# Allegro board DuoModule 01 Evaluation Board V1.1.brd (continued)
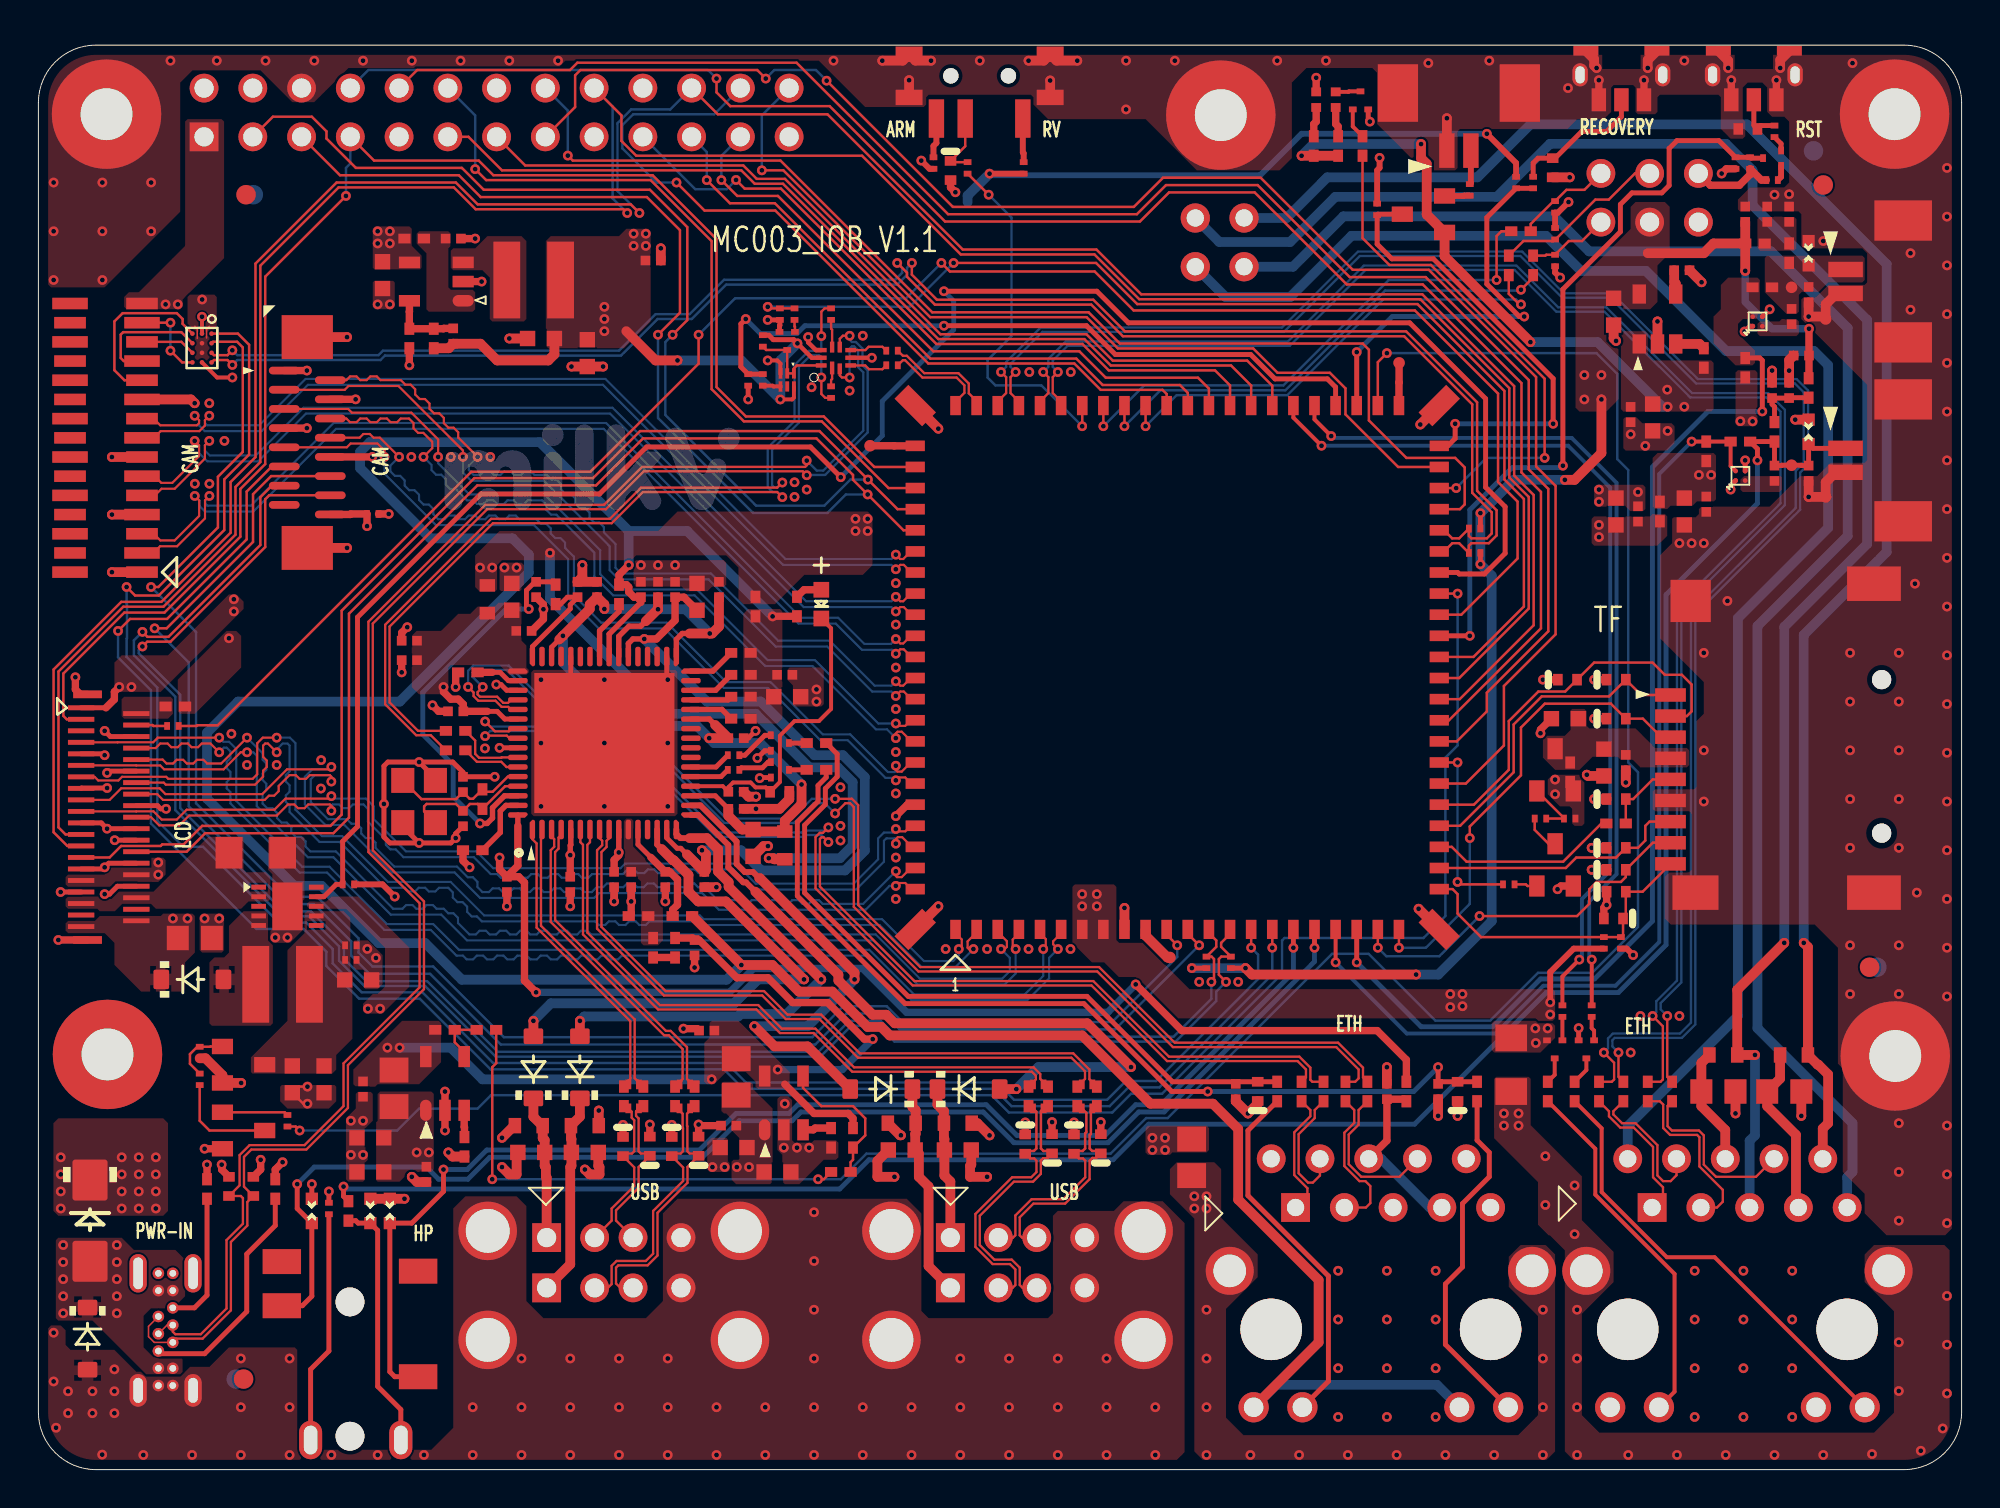
[diagram p0: board, top side]
## Footprints (pads in the part's own frame, mm; a bottom-side part is the same pattern mirrored in y, then rotated) (continued)
  rect 1.5x0.4 smd: 40(-0.335,12.1) 41(-0.335,-0.7)
HDR_2X3_2R54
  round 1.5 hole 1: 1(-2.54,1.27) 2(-2.54,-1.27) 3(0,1.27) 4(0,-1.27) 5(2.54,1.27) 6(2.54,-1.27)
HOLE2D7_5D7
  round 5.7 hole 2.7: 1(0,0)
KEY_7P_4X5_H2D5MM
  rect 0.75x1.2 smd: 1(-1.175,2.8) 2(0,2.8) 3(1.175,2.8)
  oval 0.8x1.2 hole 0.483x0.889: 4(-2.15,1.5) 5(2.15,1.5)
  rect 1.3x0.5 smd: 6(-1.85,0.25) 7(1.85,0.25)
L_4018
  rect 4x1.4 smd: 1(0,1.4) 2(0,-1.4)
LED0603
  rect 0.813x0.813 smd: 1(-0.749,0) 2(0.749,0)
LED_D0402
  rect 0.457x0.508 smd: 1(-0.406,0) 2(0.406,0)
LPJ0011HENL
  round 3.2 hole 3.2: (-11.43,0) (0,0)
  rect 1.5x1.5 hole 0.9: 1(-10.16,6.35)
  round 1.5 hole 0.9: 2(-8.89,8.89) 3(-7.62,6.35) 4(-6.35,8.89) 5(-5.08,6.35) 6(-3.81,8.89) 7(-2.54,6.35) 8(-1.27,8.89) 9(-11.43,8.89) 10(0,6.35)
  round 1.575 hole 1.016: 11(-12.345,-4.06) 12(-9.805,-4.06) 13(-1.625,-4.06) 14(0.915,-4.06)
  round 2.5 hole 1.7: 15(-13.59,3.05) 16(2.16,3.05)
MARK
  round 1.016 smd: 1(0.003,-0.002)
OSC_SM4_3D2X2D5
  rect 1.3x1.2 smd: 1(-1.1,-0.85) 2(1.1,-0.85) 3(1.1,0.85) 4(-1.1,0.85)
QFN64_0D7_3
  custom 0.279x1.016 smd: 1(-3.75,-4.508) 2(-3.25,-4.508) 3(-2.75,-4.508) 4(-2.25,-4.508) 5(-1.75,-4.508) 6(-1.25,-4.508) 7(-0.75,-4.508) 8(-0.25,-4.508) 9(0.25,-4.508) 10(0.75,-4.508) 11(1.25,-4.508) 12(1.75,-4.508) 13(2.25,-4.508) 14(2.75,-4.508) 15(3.25,-4.508) 16(3.75,-4.508) 33(3.75,4.508) 34(3.25,4.508) 35(2.75,4.508) 36(2.25,4.508) 37(1.75,4.508) 38(1.25,4.508) 39(0.75,4.508) 40(0.25,4.508) 41(-0.25,4.508) 42(-0.75,4.508) 43(-1.25,4.508) 44(-1.75,4.508) 45(-2.25,4.508) 46(-2.75,4.508) 47(-3.25,4.508) 48(-3.75,4.508)
  custom 1.016x0.279 smd: 17(4.508,-3.75) 18(4.508,-3.25) 19(4.508,-2.75) 20(4.508,-2.25) 21(4.508,-1.75) 22(4.508,-1.25) 23(4.508,-0.75) 24(4.508,-0.25) 25(4.508,0.25) 26(4.508,0.75) 27(4.508,1.25) 28(4.508,1.75) 29(4.508,2.25) 30(4.508,2.75) 31(4.508,3.25) 32(4.508,3.75) 49(-4.508,3.75) 50(-4.508,3.25) 51(-4.508,2.75) 52(-4.508,2.25) 53(-4.508,1.75) 54(-4.508,1.25) 55(-4.508,0.75) 56(-4.508,0.25) 57(-4.508,-0.25) 58(-4.508,-0.75) 59(-4.508,-1.25) 60(-4.508,-1.75) 61(-4.508,-2.25) 62(-4.508,-2.75) 63(-4.508,-3.25) 64(-4.508,-3.75)
  rect 7.3x7.3 smd: 65(0,0)
R0201
  rect 0.3x0.4 smd: 1(-0.3,0) 2(0.3,0)
R0402
  rect 0.635x0.508 smd: 1(-0.508,0) 2(0.508,0)
R0603
  rect 0.65x0.8 smd: 1(-0.725,0) 2(0.725,0)
R0805
  rect 1.3x1.5 smd: 1(-0.952,0) 2(0.952,0)
R1206
  rect 1.397x1.651 smd: 1(-1.397,0) 2(1.397,0)
RP2_0405
  rect 0.5x0.3 smd: 1(-0.625,-0.275) 2(0.625,-0.275) 3(-0.625,0.275) 4(0.625,0.275)
RS2228_QFN1_4X1_8
  rect 0.225x0.663 smd: 1(-0.2,-0.53)
  rect 0.225x0.563 smd: 2(0.2,-0.58) 6(0.2,0.557) 7(-0.2,0.557)
  rect 0.563x0.225 smd: 3(0.769,-0.4) 4(0.769,0) 5(0.769,0.4) 8(-0.768,0.4) 9(-0.768,0) 10(-0.768,-0.4)
SD_SM9_1D1_15D75
  round 1 hole 1 unplated: (-4.95,-3.55) (3.05,-3.55)
  rect 0.7x1.6 smd: 1(2.25,7.45) 2(1.15,7.45) 3(0.05,7.45) 4(-1.05,7.45) 5(-2.15,7.45) 6(-3.25,7.45) 7(-4.35,7.45) 8(-5.45,7.45) 9(-6.55,7.45)
  rect 1.8x2.4 smd: 10(-8.05,6.15)
  rect 2.2x2.1 smd: 11(7.151,6.4)
  rect 1.8x2.8 smd: 12(-8.05,-3.15) 13(8.05,-3.15)
SOD_123
  custom 0.813x1.016 smd: 1(1.62,0) 2(-1.62,0)
SOT23_5
  rect 1x0.7 smd: 1(1.3,-0.95) 2(1.3,0) 3(1.3,0.95) 4(-1.3,0.95) 5(-1.3,-0.95)
SOT_23
  rect 1.1x0.8 smd: 1(1.1,-0.95) 2(1.1,0.95) 3(-1.1,0)
SOT_23_5
  oval 1.1x0.6 smd: 1(-1.4,1)
  rect 1.1x0.6 smd: 2(-1.4,0) 3(-1.4,-1) 4(1.4,-1) 5(1.4,1)
SOT_723
  rect 0.4x0.3 smd: 1(0,0) 2(0.805,0) 3(0.403,0.94)
STAMP_0R55_88
  rect 1x0.55 smd: 1(-13.65,11.55) 2(-13.65,10.45) 3(-13.65,9.35) 4(-13.65,8.25) 5(-13.65,7.15) 6(-13.65,6.05) 7(-13.65,4.95) 8(-13.65,3.85) 9(-13.65,2.75) 10(-13.65,1.65) 11(-13.65,0.55) 12(-13.65,-0.55) 13(-13.65,-1.65) 14(-13.65,-2.75) 15(-13.65,-3.85) 16(-13.65,-4.95) 17(-13.65,-6.05) 18(-13.65,-7.15) 19(-13.65,-8.25) 20(-13.65,-9.35) 21(-13.65,-10.45) 22(-13.65,-11.55) 45(13.65,-11.55) 46(13.65,-10.45) 47(13.65,-9.35) 48(13.65,-8.25) 49(13.65,-7.15) 50(13.65,-6.05) 51(13.65,-4.95) 52(13.65,-3.85) 53(13.65,-2.75) 54(13.65,-1.65) 55(13.65,-0.55) 56(13.65,0.55) 57(13.65,1.65) 58(13.65,2.75) 59(13.65,3.85) 60(13.65,4.95) 61(13.65,6.05) 62(13.65,7.15) 63(13.65,8.25) 64(13.65,9.35) 65(13.65,10.45) 66(13.65,11.55)
  rect 0.55x1 smd: 23(-11.55,-13.65) 24(-10.45,-13.65) 25(-9.35,-13.65) 26(-8.25,-13.65) 27(-7.15,-13.65) 28(-6.05,-13.65) 29(-4.95,-13.65) 30(-3.85,-13.65) 31(-2.75,-13.65) 32(-1.65,-13.65) 33(-0.55,-13.65) 34(0.55,-13.65) 35(1.65,-13.65) 36(2.75,-13.65) 37(3.85,-13.65) 38(4.95,-13.65) 39(6.05,-13.65) 40(7.15,-13.65) 41(8.25,-13.65) 42(9.35,-13.65) 43(10.45,-13.65) 44(11.55,-13.65) 67(11.55,13.65) 68(10.45,13.65) 69(9.35,13.65) 70(8.25,13.65) 71(7.15,13.65) 72(6.05,13.65) 73(4.95,13.65) 74(3.85,13.65) 75(2.75,13.65) 76(1.65,13.65) 77(0.55,13.65) 78(-0.55,13.65) 79(-1.65,13.65) 80(-2.75,13.65) 81(-3.85,13.65) 82(-4.95,13.65) 83(-6.05,13.65) 84(-7.15,13.65) 85(-8.25,13.65) 86(-9.35,13.65) 87(-10.45,13.65) 88(-11.55,13.65)
  rect 1.016x2.032 smd rot 135: 89(-13.65,-13.65) 91(13.65,13.65)
  rect 1.016x2.032 smd rot 45: 90(13.65,-13.65) 92(-13.65,13.65)
SW_3P_8D0_2D2
  round 0.8 hole 0.8 unplated: (0,0) (3,0)
  rect 0.8x2 smd: 1(-0.75,2.225) 2(2.25,2.225) 3(3.75,2.225)
  rect 1.4x0.8 smd: 6(-2.175,1.125) 7(5.175,1.125) 8(5.175,-1.125) 9(-2.175,-1.125)
TP32
  round 0.6 smd: 1(0,0)
TYPEC_TH_14PIN_STA
  round 0.6 hole 0.35: A1(0.375,5.85) A4(0.375,4.95) A5(0.375,4.05) A6(0.375,3.15) A7(0.375,2.25) A9(0.375,0.9) A12(0.375,0) B1(-0.375,0) B4(-0.375,0.9) B5(-0.375,1.8) B6(-0.375,2.7) B7(-0.375,3.6) B9(-0.375,4.95) B12(-0.375,5.85)
  oval 0.9x2 hole 0.5x1.65: E1(-1.43,0) E2(1.43,0)
  oval 0.9x1.7 hole 0.5x1.3: E3(1.43,6.1) E4(-1.43,6.1)
WLCSP4_0D5_0D9
  round 0.25 smd: A1(-0.25,0.25) A2(0.25,0.25) B1(-0.25,-0.25) B2(0.25,-0.25)
XTDFN6_0D35_1D0
  rect 0.2x0.53 smd: 1(-0.35,-0.34) 2(0,-0.34) 3(0.35,-0.34) 4(0.35,0.34) 5(0,0.34) 6(-0.35,0.34)

## Nets
1V8: C66.1 C70.1(A) C79.1(A) J15.3 R5.2 R8.2 R68.1 R90.2 R94.2 R96.2 R97.2 R99.2 R100.2 U12.B2(VCCA) U12.C2(OE) U14.5(OUT)
3V3: C48.1 C58.1 C59.1 C60.1 C61.1 C65.1 C72.1(A) C74.1(A) C84.1 D22.1(A1) FB2.1 FB3.1 FB5.1 FB12.1 J6.7 J6.8 J7.1(3V3) J7.17(3V3_1) J8.16 J10.1 J15.2 JP2.11(D2A) JP2.13(D1A) L2.2 Q6.2(SOURCE) R1.2 R2.2 R6.1 R11.2 R30.2 R60.1 R61.1 R65.1 R84.1 R123.1 U2.9(VCC) U3.6(VCC) U5.1(VDD3V3) U5.24(TP-VCC) U5.30(VCC3V31) U5.31(VCC3V32) U12.A2(VCCB) U14.1(IN)
3V3_A: C13.1(A) C14.1(A) C15.1(A) C16.1(A) C17.1(A) C18.1(A) C19.1(A) C20.1(A) FB5.2 R42.2 U1.5(VDD33A1) U1.10(VDD33A2) U1.49(VDD33A3) U1.51(VDD33A4) U1.54(VDD33A5) U1.57(VDD33A6) U1.64(VDD33A7)
3V3_AUDIO: C73.1(A) C75.1(A) FB12.2 R93.2 R101.2
3V3_IO: C6.1(A) C7.1(A) C8.1(A) C10.1(A) C11.1(A) C12.1(A) FB3.2 U1.19(VDD33IO5) U1.27(VDD33IO4) U1.33(VDD33IO3) U1.39(VDD33IO2) U1.46(VDD33IO1)
3V3_SD: C40.1 C41.1 C42.1 CN14A1.4(VDD) Q6.3(DRAIN) R60.2
GND: C1.2(B) C2.2(B) C3.2 C4.2(B) C5.2(B) C6.2(B) C7.2(B) C8.2(B) C9.2(B) C10.2(B) C11.2(B) C12.2(B) C13.2(B) C14.2(B) C15.2(B) C16.2(B) C17.2(B) C18.2(B) C19.2(B) C20.2(B) C21.2(B) C22.2 C23.2(B) C24.2(B) C25.2(B) C26.2 C27.2 C28.2 C29.2 C34.2 C35.2 C36.2 C37.2 C38.2 C39.2 C40.2 C41.2 C42.2 C43.2 C44.2 C45.2 C46.2 C47.2 C48.2 C49.2 C50.2 C51.2 C52.2 C53.2 C54.2 C55.2 C56.2 C57.2 C59.2 C60.2 C61.2 C62.2 C63.2 C64.2 C65.2 C66.2 C67.2(B) C68.1(A) C69.2(B) C70.2(B) C72.2(B) C73.2(B) C74.2(B) C75.2(B) C76.2(B) C77.1(A) C78.2(B) C79.2(B) C81.1 C82.1 C83.1 C84.2 C85.1 CN14A1.6(VSS) CN14A1.10(G1) CN14A1.11(G2) CN14A1.12(G3) CN14A1.13(G4) D1.1 D7.2 D8.2 D9.2 D10.2 D11.1 D12.1 D13.1 D14.1 D15.1 D18.1(ANODE) D19.1 D20.1 D21.2(CATHODE) DB1.2 DB2.2 ED3.2 ED4.2 ED5.2 ED6.2 ED7.2 ED8.2 ED9.2 ED10.2 ED11.2 ED12.2 ED13.2 ED14.2 ED15.2 ED16.2 ED17.2 H1.1 H2.1 H3.1 H5.1 H6.1 J1.6 J1.7 J1.8 J1.9 J3.4 J3.8 J3.9 J3.10 J3.11 J3.12 J4.4 J4.8 J4.9 J4.10 J4.11 J4.12 J6.9 J6.84 J6.89(G1) J6.90(G2) J6.91(G3) J6.92(G4) J7.6(GND2) J7.9(GND0) J7.14(GND3) J7.20(GND4) J7.25(GND1) J8.1 J8.4 J8.7 J8.10 J8.17 J8.18 J9.2 J9.3 J9.4 J10.6 J10.9 J10.12 J10.15 J11.2 J11.3 J11.4 J12.A1(GND1) J12.A12(GND2) J12.B1(GND3) J12.B12(GND4) J12.E1(GND_E1) J12.E2(GND_E2) J12.E3(GND_E3) J12.E4(GND_E4) J15.1 J90.1 J90.3 J90.4 K1.1 K1.3 K1.4 K1.5 K1.6 K1.7 K2.1 K2.3 K2.4 K2.5 K2.6 K2.7 Q2.2(S) Q3.2(S) Q4.2(S) Q5.2(S) Q7.2(EMITTER) Q10.2(EMITTER) Q11.2(S) Q12.2(S) R4.1 R10.2 R13.2 R17.2 R19.2 R33.2 R34.1 R43.2 R67.2 R69.2 R71.2 R78.2 R79.1 R80.1 R86.2 R87.2 R88.1 R115.2 R116.2 R117.2 TP22.1 TP24.1 U1.34(TEST2) U1.44(CLK24_EN) U1.65(VSS-FLAG) U2.4(GND) U2.8(OE) U3.3(GND) U4.11(GND2) U5.6(GND1) U5.9(GND2) U5.12(GND3) U5.15(GND4) U5.18(GND5) U5.21(GND6) U5.22(GND7) U5.28(GND8) U5.29(GND9) U5.32(GND11) U5.33(GND12) U5.40(PAD2) U5.41(PAD1) U7.2(GND) U8.2(GND) U9.2(GND) U11.A1(GND) U11.B2(GND2) U12.D2(GND) U13.A1(GND) U13.B2(GND2) U14.2(GND) Y1.2(GND#2) Y1.4(GND#4)
GND_EARTH: C81.2 JP2.15(G2) JP2.16(G1)
VBUS: D17.1(A) D18.2(CATHODE) J12.A4(VBUS_1) J12.A9(VBUS_2) J12.B4(VBUS_3) J12.B9(VBUS_4)
VBUS_DET: J6.48 R31.2 R33.1
VBUS_EN: J6.46 R77.2 R85.2
VCC5V0_USB1: C50.1 C51.1 C52.1 R46.1 R47.1 R75.2 U7.1(VOUT)
VCC5V0_USB2: C55.1 C56.1 C57.1 R44.1 R45.1 R81.2 U8.1(VOUT)
VCC_LEDA: C47.1 D16.2(K) U4.8(OVP) U5.38(LED+1) U5.39(LED+)
VCC_LEDK: R69.1 U4.2(FB) U5.34(LED-1) U5.35(LED-)
VDD18CORE: C23.1(A) C24.1(A) C25.1(A) U1.15(VDD18CORE2) U1.38(VDD18CORE)
VDD18ETHPLL: C2.1(A) FB1.2 U1.48(VDD18ETHPLL)
VDD18USBPLL: C1.1(A) FB1.1 U1.62(VDD18USBPLL)
VDD_BAT: C85.2 D22.3(C) J6.44
ADC1: J6.57 R112.2
ADC2: J6.58 R113.2
ADC3: J6.59 R114.2
ARM_RISV_SWITCH: J6.60 R9.1
AUDIO_IN_L: J6.19 R92.1 R93.1 U11.A2(OUT)
AUDIO_IN_R: J6.20 R98.1 R101.1 U13.A2(OUT)
AUDIO_OUT_L: ED15.1 J5.6 J6.17
AUDIO_OUT_R: ED14.1 J5.3 J6.18
EPHY_LNK_LED: J6.49 R111.2
EPHY_RXN: J6.62 R105.2
EPHY_RXP: J6.61 R104.2
EPHY_SPD_LED: J6.50 R109.2
EPHY_TXN: J6.64 R107.2
EPHY_TXP: J6.63 R106.2
GRN_C: JP2.14(D1C) R110.1
GRN_C_18395452: C34.1 ED5.1 R41.1 R49.1
I2C3_SENSOR0_SCL: J6.14 J8.13 R99.1
I2C3_SENSOR0_SDA: J6.13 J8.14 R96.1
I2C_SENSOR1_SCL: J6.40 R97.1 U12.C3(A3)
I2C_SENSOR1_SCL_3V3: J10.3 U12.C1(B3)
I2C_SENSOR1_SDA: J6.39 R100.1 U12.D3(A4)
I2C_SENSOR1_SDA_3V3: J10.2 U12.D1(B4)
LCD_BLIN: C43.1 C44.1 C45.1 C46.1 C49.1 L1.1 Q9.3(DRAIN) U4.7(IN)
LCD_PWM: J6.38 R71.1 U4.9(EN)
LCD_PWR_CT: J6.37 R74.1
LCD_RST: J6.36 R70.1
MICIN_L: C68.2(B) C71.2(B) ED17.1 J9.1 R89.1 R91.1 R92.2 TP21.1
MIPI0_DN0: J6.78 J8.2
MIPI0_DN1: J6.80 J8.5
MIPI0_DN2: J6.82 J8.8
MIPI0_DN3: J6.76 J10.14
MIPI0_DN4: J6.74 J10.11
MIPI0_DN5: J6.72 J10.8
MIPI0_DP0: J6.79 J8.3
MIPI0_DP1: J6.81 J8.6
MIPI0_DP2: J6.83 J8.9
MIPI0_DP3: J6.77 J10.13
MIPI0_DP4: J6.75 J10.10
MIPI0_DP5: J6.73 J10.7
MIPI_TX_0N: J6.5 U5.7(MIPI-0N)
MIPI_TX_0P: J6.6 U5.8(MIPI-0P)
MIPI_TX_1N: J6.3 U5.10(MIPI-1N)
MIPI_TX_1P: J6.4 U5.11(MIPI-1P)
MIPI_TX_2N: J6.1 U5.13(MIPI-CKN)
MIPI_TX_2P: J6.2 U5.14(MIPI-CKP)
MIPI_TX_3N: J6.87 U5.16(MIPI-2N)
MIPI_TX_3P: J6.88 U5.17(MIPI-2P)
MIPI_TX_4N: J6.85 U5.19(MIPI-3N)
MIPI_TX_4P: J6.86 U5.20(MIPI-3P)
NFDX_LED: C22.1 ED3.1 LED2.2(CATHODE) U1.20(NFDX_LED_GPIO0)
NLNKA_LED: R55.2 U1.21(NLNKA_LED_GPIO1)
NSPD_LED: R54.2 U1.22(NSPD_LED_GPIO2)
PHY_3V3: C3.1 C4.1(A) C5.1(A) FB2.2 JP1.11(D2A) JP1.13(D1A) R18.1 R20.2 R21.1 R26.2 R27.2 R28.2 R29.2 U1.40(TEST3)
PHY_RXN: JP1.6(RX-) R119.1
PHY_RXP: JP1.3(RX+) R118.1
PHY_TXN: JP1.2(TX-) R121.1
PHY_TXP: JP1.1(TX+) R120.1
POWER2: C37.1 D3.2(K) J4.1 R46.2
POWER3: C38.1 D4.2(K) J4.5 R47.2
POWER4: C36.1 D5.2(K) J3.1 R44.2
POWER5: C39.1 D6.2(K) J3.5 R45.2
PRTCTL2: D3.1(A) U1.14(PRTCTL2)
PRTCTL3: D4.1(A) U1.16(PRTCTL3)
PRTCTL4: D5.1(A) U1.17(PRTCTL4)
PRTCTL5: D6.1(A) U1.18(PRTCTL5)
PWM0_BUCK: J6.45 TP27.1
PWR_VBAT_DET: J6.35 Q1.3(D) R2.1 R4.2
RXN: JP2.6(RX-) R105.1
RXN_18047105: R119.2 U1.53(RXN)
RXP: JP2.3(RX+) R104.1
RXP_18047105: R118.2 U1.52(RXP)
SD_PWR_EN: J6.29 R63.1
SD_SD0_CD: CN14A1.9(CD) D15.2 ED6.1 J6.23 R65.2 R67.1
SD_SD0_CLK: J6.25 R64.1
SD_SD0_CMD: CN14A1.3(CMD) ED10.1 J6.22
SD_SD0_D0: CN14A1.7(DATA0) ED8.1 J6.24
SD_SD0_D1: CN14A1.8(DATA1) ED7.1 J6.21
SD_SD0_D2: CN14A1.1(DATA2) ED12.1 J6.26
SD_SD0_D3: CN14A1.2(CD/DATA3) ED11.1 J6.27
SENSOR_CLK0: J6.12 J8.12
SENSOR_CLK1: J6.11 U12.B3(A2)
SENSOR_CLK1_3V3: J10.4 U12.B1(B2)
SENSOR_HS0: J6.10 TP26.1
SENSOR_RSTN0: J6.16 J8.11
SENSOR_RSTN1: J6.15 U12.A3(A1)
SENSOR_RSTN_3V3: J10.5 U12.A1(B1)
TXN: JP2.2(TX-) R107.1
TXN_18047105: R121.2 U1.56(TXN)
TXP: JP2.1(TX+) R106.1
TXP_18047105: R120.2 U1.55(TXP)
UART0_RX: J6.30 J7.10(UART2-RX)
UART0_TX: J6.31 J7.8(UART2-TX)
UPDATE: J6.47 R5.1 R7.1
USB_DET: C21.1(A) R16.2 R17.1 U1.11(VBUS_DET)
USB_DM: J6.65 R25.2
USB_DP: J6.66 R23.2
USB_HOST2_DM: FB10.1(R1) R51.2 U1.1(USBDM2)
USB_HOST2_DP: FB10.3(R3) R58.2 U1.2(USBDP2)
USB_HOST3_DM: FB11.1(R1) R52.2 U1.3(USBDM3)
USB_HOST3_DP: FB11.3(R3) R59.2 U1.4(USBDP3)
USB_HOST4_DM: FB9.1(R1) R50.2 U1.6(USBDM4)
USB_HOST4_DP: FB9.3(R3) R57.2 U1.7(USBDP4)
USB_HOST5_DM: FB8.1(R1) R53.2 U1.8(USBDM5)
USB_HOST5_DP: FB8.3(R3) R56.2 U1.9(USBDP5)
USB_SW: Q3.3(D) R30.1 U2.10(S) U3.1(A) U3.2(B)
USBDEV_DM: D20.2 J12.A7(DM1) J12.B7(DM2) U2.6(HSD2-)
USBDEV_DP: D19.2 J12.A6(DP1) J12.B6(DP2) U2.2(HSD2+)
USBHOST_DM: R15.1 R24.1
USBHOST_DP: R14.1 R22.1
VA+: J2.2 JP2.9(P1_CMTB)
VA-: J2.1 JP2.10(P1_CMTA)
VB+: J2.3 JP2.8(P1_CMTD) R102.1
VB-: J2.4 JP2.5(P1_CMTC) R103.1
VSYS: C9.1(A) C53.1 C54.1 C62.1 D17.2(K) FB4.2 J7.2(5V_1) J7.4(5V_2) Q9.2(SOURCE) R72.1 R75.1 R76.1 R81.1 R82.1 R83.1 U7.5(IN) U8.5(IN) U9.4(VIN)
XGPIOA_18: J6.32 J7.22(GPIO8) U5.25(TP-INT)
XGPIOA_19: J6.33 J7.18(GPIO7) U5.23(TP-RESET)
XGPIOA_20: J6.41 J7.16(GPIO6)
XGPIOA_28: J6.43 J7.26(SPI-CSN1)
XGPIOA_29: J6.42 R12.1
XGPIOA_30: J6.34 R32.2 R34.2
XGPIOB_11: J6.52 J7.11(GPIO3)
XGPIOB_12: J6.51 J7.13(GPIO4)
XGPIOB_13/SPI3_SDO: J6.53 J7.19(SPI-TXD)
XGPIOB_14/SPI3_SDI: J6.55 J7.21(SPI-RXD)
XGPIOB_15/SPI3_SCK: J6.54 J7.23(SPI-CLK)
XGPIOB_16/SPI3_CS: J6.56 J7.24(SPI-CSN0)
XGPIOB_17/I2C1_SDA: J6.67 TP28.1
XGPIOB_18/I2C1_SCL: J6.68 J7.7(GPIO1) U5.3(SENSOR-INT)
XGPIOB_19: J6.69 J7.12(PWM)
XGPIOB_20/I2C4_SCL: J6.70 J7.3(I2C-SCL) U5.27(TP-SCL)
XGPIOB_21/I2C4_SDA: J6.71 J7.5(I2C-SDA) U5.26(TP-SDA)
XGPIOB_22: J6.28 J7.15(GPIO5)
XTALIN: C28.1 R36.2 U1.61(XI) Y1.3(X2)
XTALOUT: C27.1 R36.1 U1.60(XO) Y1.1(X1)
YEL_C: JP2.12(D2C) R108.1
YEL_C_18395513: C29.1 ED4.1 R40.1 R48.1
N18013857: C58.2 R84.2 R87.1 U9.5(FB/OUT)
N18013908: C63.1 R83.2 U9.1(EN)
N18013924: L2.1 U9.3(LX)
N18057742: R13.1 U1.63(USBRBIAS)
N18061020: R14.2 U1.59(USBDP0)
N18061046: R15.2 U1.58(USBDM0)
N18073861: R19.1 U1.50(EXRES)
N18074230: R20.1 U1.41(AUTOMDIX_EN)
N18074692: C26.1 R21.2 U1.12(N_RESET)
N18075467: R27.1 U1.29(TMS)
N18075468: R26.1 U1.28(NTRST)
N18075469: R29.1 U1.32(TCK)
N18075470: R28.1 U1.30(TDI)
N18080425: LED2.1(ANODE) R18.2
N18128626: R76.2 R77.1 U7.4(EN)
N18128982: R78.1 U7.3(OCB)
N18342854: C77.2(B) C80.2(B) ED16.1 J11.1 R95.1 R98.2 TP23.1
N18342881: C76.1(A) C78.1(A) R94.1 R95.2
N18343006: C80.1(A) U13.B1(IN)
N18343094: C67.1(A) C69.1(A) R90.1 R91.2
N18343217: C71.1(A) U11.B1(IN)
N18344146: D16.1(A) L1.2 U4.4(LX1) U4.5(LX2)
N18344347: Q10.1(BASE) R74.2
N18344351: Q9.1(GATE) R72.2 R73.1
N18344363: Q10.3(COLLECTOR) R73.2
N18346013: D8.1 FB9.2(R4) J3.6 R50.1
N18346061: D12.2 FB9.4(R2) J3.7 R57.1
N18346099: D11.2 FB8.4(R2) J3.3 R56.1
N18346185: D7.1 FB8.2(R4) J3.2 R53.1
N18347946: Q3.1(G) R32.1
N18356914: R68.2 U5.2(IOVCC1V8-3V3)
N18356925: R70.2 U5.4(RESET)
N18387877: R82.2 R85.1 U8.4(EN)
N18388029: R86.1 U8.3(OCB)
N18395425: C35.1 JP1.4(TN1) JP1.7(RN1) R42.1
N18395443: JP1.15(G2) JP1.16(G1) R43.1
N18395612: JP1.12(D2C) R40.2
N18395615: JP1.14(D1C) R41.2
N18440661: J12.B5(CC2) R79.2
N18451564: J12.A5(CC1) R80.2
N18462918: J90.2 R122.1
N18508724: C64.1 U14.4(BP)
N18509076: R123.2 U14.3(S\H\D\N\)
N18561706: Q1.2(S) R3.1
N18561768: DB1.1 K1.2 R3.2
N18561861: J1.1 R8.1
N18561863: D1.2 J1.2 R9.2
N18561929: DB2.1 K2.2 R7.2
N18564889: Q2.1(G) R12.2
N18564903: D2.1(ANODE) R11.1
N18568131: D2.2(CATHODE) Q2.3(D)
N18580640: D10.1 FB11.2(R4) J4.6 R52.1
N18580688: D14.2 FB11.4(R2) J4.7 R59.1
N18580772: D13.2 FB10.4(R2) J4.3 R58.1
N18580790: D9.1 FB10.2(R4) J4.2 R51.1
N18586338: R22.2 U2.1(HSD1+)
N18586356: R24.2 U2.7(HSD1-)
N18586378: R23.1 U2.3(D+)
N18586396: R25.1 U2.5(D-)
N18599056: Q5.1(G) R54.1
N18599095: Q5.3(D) R48.2
N18599652: Q4.3(D) R49.2
N18599656: Q4.1(G) R55.1
N18603087: C83.2 JP2.7(RN1) R102.2
N18603089: C82.2 JP2.4(TN1) R103.2
N18604088: Q11.3(D) R108.2
N18604090: Q11.1(G) R109.1
N18604128: Q12.3(D) R110.2
N18604135: Q12.1(G) R111.1
N18608962: CN14A1.5(CLK) ED9.1 R64.2
N18609805: Q6.1(GATE) R61.2 R62.1
N18609875: Q7.1(BASE) R63.2
N18609896: Q7.3(COLLECTOR) R62.2
N18611461: D21.1(ANODE) R6.2
N18623706: ED13.1 J5.5 R89.2
N18623715: J5.2 R88.2
N18625542: D22.2(A2) R122.2
N18627362: J15.4 R112.1 R117.1
N18627380: J15.5 R113.1 R116.1
N18627382: J15.6 R114.1 R115.1
N183479583: R31.1 U3.4(Y)
N185233440: FB4.1 R16.1
N185616840: Q1.1(G) R1.1
N185618232: J1.3 R10.1

Pads without a net: J5 4 7; J8 15; J10 16 17 18 19 20 21 22 23 24 25 26 27 28 29 30; JP1 5 8 9 10; M1 1; M2 1; M3 1; M4 1; M5 1; M6 1; M7 1; M8 1; U1 13 23 24 25 26 31 35 36 37 42 43 45 47; U3 5; U4 1 3 6 10; U5 5 36 37

## Via types
v1: diameter 0.508, hole 0.254, TOP to BOTTOM, 752 vias

## Routing (per net, layer and track width the routed paths; a pad name or vN(x,y) marks a point on that pad's centre or on a via; arc(x,y) is an arc through that point)
1V8: length 102.5
  TOP w0.076: 8.15,59.58 8.28,59.46 8.28,58.95 ; 8.76,58.97 8.76,59.43 8.91,59.58
  TOP w0.254: R97.2 v1(75.12,49.85) ; R96.2 v1(60.09,26.14) ; R99.2 v1(62.89,26.14) ; R100.2 v1(75.12,47.18)
  TOP w0.305: R8.2 v1(49.55,67.54) ; R5.2 76.98,68.09 v1(75.46,69.62)
  TOP w0.381: R90.2 92.24,56.9 C70.1 v1(92.24,59.46)
  TOP w0.508: v1(71.78,25.8) 63.22,25.8 v1(62.89,26.14) ; 83.84,63.39 86.76,63.39 87.27,63.9 R94.2 ; v1(81.43,55.77) 81.43,52.98 80.03,51.58 v1(79.52,51.58) ; R94.2 v1(88.92,62.47) ; R94.2 C79.1
  BOTTOM w0.305: v1(75.46,69.62) 65.81,69.62 63.65,67.46 49.63,67.46 v1(49.55,67.54)
  BOTTOM w0.381: v1(92.24,59.46) 90.32,59.46 88.92,60.85 v1(88.92,62.47)
  BOTTOM w0.508: v1(49.55,67.54) 48.41,66.39 48.41,66.06 ; v1(79.52,51.58) 76.86,51.58 v1(75.12,49.85) v1(75.12,47.18) 75.71,46.59 75.71,28.59 72.93,25.8 v1(71.78,25.8) ; v1(62.89,26.14) v1(60.09,26.14)
  vias: v1(8.53,60.98) v1(9.93,43.33) v1(80.54,57.04) v1(80.54,55.77) v1(81.43,57.04)
3V3: length 102.5
  TOP w0.203: U12.A2 v1(8.52,60.08) ; v1(38.65,55.77) 39.27,55.77 39.36,55.87 U3.6
  TOP w0.229: v1(39.54,58.69) 40.29,57.94 U2.9
  TOP w0.254: U5.24 v1(3.98,32.8) ; v1(39.54,58.69) 39.35,58.89 38.28,58.89 38.05,59.12 R30.2 ; U5.1 3.52,39.7
  TOP w0.305: R65.1 79.99,27.15 78.76,25.93 v1(78.76,24.35)
  TOP w0.381: J15.2 87.1,66.93 88.62,66.93 89.18,67.49 R2.2 89.77,67.2 R1.2 ; v1(17.12,49.17) C48.1 16.28,49.8 16.25,49.78 J8.16 ; 3.52,39.7 3.96,40.14 3.96,40.53 v1(4.21,40.79)
  TOP w0.508: v1(65.81,68.47) R6.1 R11.2 ; R84.1 21.38,58.44 C58.1 23.03,58.67 23.9,57.8 26.56,57.8 26.88,58.12 C59.1 ; v1(77.73,58.76) 73.26,63.23 D22.1 72.33,65.41 72.33,68.05 72.03,68.35 v1(72.03,69.08) ; v1(38.05,31.86) 38.28,31.86 38.34,31.81 FB3.1 ; v1(33.3,57.8) 32.15,57.8 30.63,59.33
  BOTTOM w0.508: v1(39.54,58.69) 38.65,57.8 v1(38.65,55.77) 36.62,57.8 v1(33.3,57.8) ; v1(72.03,69.08) 66.42,69.08 v1(65.81,68.47) ; v1(77.73,58.76) 81.23,58.76 84.6,55.39 v1(84.88,55.39) ; v1(38.05,31.86) 41.76,31.86 42.42,32.52 42.42,35.82 41.65,36.6 40.16,36.6 37.37,39.39 32.66,39.39 26.65,45.4 v1(26.65,47.77)
  vias: v1(4.85,40.79) v1(6.24,31.64) v1(6.24,31.01) v1(6.63,60.73) v1(7.26,60.73) v1(10.18,45.36) v1(10.18,44.72) v1(23.01,47.01) v1(23.64,47.01) v1(29.49,60.6) v1(29.49,59.96) v1(29.49,59.33) v1(31.01,64.41) v1(31.01,63.77) v1(31.64,64.41) v1(31.64,63.77) v1(42.57,49.55) v1(42.57,48.91) v1(43.2,49.55) v1(43.2,48.91) v1(54.38,29.99) v1(54.38,29.36) v1(55.14,29.99) v1(55.14,29.36) v1(73.55,24.78) v1(73.55,24.1) v1(74.19,24.78) v1(74.19,24.15) v1(78.76,23.72) v1(79.02,35.96) v1(79.02,35.2) v1(81.3,49.23) v1(81.3,48.6) v1(84.86,56.28) v1(85.75,55.39)
3V3_A: length 73.7
  TOP w0.254: U1.57 v1(24.02,37.62) ; U1.54 24.3,39.12 23.9,39.52 23.39,39.52 ; U1.51 24.4,40.62 24.1,40.91 v1(23.86,40.91)
  TOP w0.279: U1.64 24.98,33.55 ; v1(27.71,32.02) 27.71,32.53 27.74,32.56 U1.5 ; U1.10 v1(30.24,32.16)
  TOP w0.381: 24.98,33.55 24.98,31.47 C16.1 ; C16.1 25.02,30.9 25.32,30.6 25.32,25.48 v1(25.93,24.87) ; C16.1 24.02,31.28 v1(24.02,31.9) ; 23.39,39.52 C20.1 22.14,39.88 21.87,40.15 21.48,40.15 21.1,40.53 v1(21.1,40.79) ; C15.1 29.99,31.77 30.24,32.01 v1(30.24,32.16) ; v1(57.17,25.29) 59.57,22.88 69.74,22.88 71.27,21.36 71.27,20.21 ; C17.1 v1(27.71,32.02)
  BOTTOM w0.381: v1(25.93,24.87) 36.01,24.87 37.25,26.12 42.94,26.12 45.23,23.83 55.71,23.83 v1(57.17,25.29)
3V3_AUDIO:
  vias: v1(86.51,51.84) v1(87.14,51.84) v1(88.67,54.64) v1(89.3,54.63)
3V3_IO: length 48.6
  TOP w0.254: U1.46 26.74,42.86 27.14,43.26 ; U1.19 35.27,35.12 C7.1
  TOP w0.279: 35.26,38.81 34.95,39.12 U1.27 ; 31.64,44.22 31.38,43.95 30.76,43.95 30.24,43.43 U1.39 ; U1.33 33.24,43.27 33.54,43.57 33.93,43.57
  TOP w0.508: 35.26,38.81 C8.1 v1(34.95,38.12) ; v1(39.76,35.71) 39.76,34.68 38.88,33.81 FB3.2 37.34,33.26 C10.1 36.66,33.36 35.94,34.07 C7.1 ; 33.93,43.57 v1(34.97,43.57) 35.1,43.57 35.45,43.93 C6.1 ; 31.64,44.22 32.27,44.84 v1(32.28,44.84) C11.1 ; 27.14,43.26 v1(27.33,43.45) 28.72,44.85 28.72,45.09 C12.1 29.49,45.09 v1(29.49,44.85)
  BOTTOM w0.508: v1(39.76,35.71) 37.6,37.87 35.2,37.87 v1(34.95,38.12) 34.31,38.75 32.03,38.75 30.76,40.02 29.36,40.02 27.33,42.06 v1(27.33,43.45) ; v1(34.97,43.57) 33.71,44.84 v1(32.28,44.84) 32.27,44.85 v1(29.49,44.85)
GND: length 192.3
  TOP w0.127: v1(14.02,19.07) 13.8,19.07 C45.2 13.55,19.96 v1(14.02,19.96)
  TOP w0.203: U3.3 38.66,57.65 38.5,57.8 v1(37.99,57.8) ; U12.D2 9.31,56.92 v1(10.1,56.92)
  TOP w0.229: U2.4 v1(43.42,57.94) ; U2.8 40.5,58.34 40.1,58.74 v1(40.1,59.02)
  TOP w0.254: U5.29 3.36,31.3 v1(3.45,31.39) 3.66,31.6 U5.28 ; C28.2 21.74,33.15 v1(21.74,32.91) 21.48,32.66 v1(19.83,32.66) ; v1(23.77,36.11) C27.2 22.12,36.34 21.59,36.87 v1(19.83,36.87) ; U5.22 v1(3.58,33.4) 3.28,33.7 U5.21 ; v1(32.79,41.17) 32.74,41.22 U1.34 ; ED14.2 v1(14.25,14.88) ; v1(3.58,36.31) 3.67,36.4 U5.12 ; v1(19.83,36.87) 20.68,36.02 Y1.4 ; v1(19.83,36.87) 18.21,36.87 18,36.67 v1(18,34.69) 18,32.97 18.31,32.66 v1(19.83,32.66) ; v1(37.99,59.92) R34.1 38.63,59.63 38.61,59.61 Q3.2 ; Q4.2 37.61,36.07 v1(37.58,36.04) ; R88.1 v1(15.13,14.5) ; C8.2 36.98,38.12 v1(37.36,38.5) ; 27.74,41.18 U1.44 ; Q5.2 37.84,37.46 v1(37.46,37.08) ; U5.32 4.12,30.4 3.7,29.99 v1(3.45,29.99) ; U5.15 2.25,35.52 v1(3.58,35.52) ; Q12.2 v1(80.24,23.01) ; U13.A1 89.16,59.59 v1(88.89,59.31) ; U5.9 3.38,37.3 v1(3.45,37.23) ; v1(19.83,32.66) 18.98,33.51 Y1.2 ; v1(3.45,38.5) 3.75,38.2 U5.6 ; 89.81,60.09 v1(90.19,60.47) ; Q2.2 69.28,70.33 v1(69.36,70.25) ; v1(88.92,52.6) U11.B2 ; U11.A1 88.16,51.28 v1(88.16,51.07) ; v1(6.65,34.44) 6.37,34.44 6.21,34.6 U5.18 ; v1(36.98,55.77) R33.2 ; U5.33 v1(1.16,30.1)
  TOP w0.305: C85.1 69.74,67.71 69.87,67.84 v1(69.87,68.36) ; v1(79.72,66.06) 79.16,65.51 R115.2 R117.2 ; R116.2 79.02,62.39 v1(79.28,62.12) ; v1(18.56,29.86) 17.93,30.5 R71.2 ; v1(46,68.22) 46.42,67.79 R10.2 ; R67.2 82.74,27.15 v1(83.08,26.82)
  TOP w0.381: K1.3 v1(88.2,72.41) ; ED6.2 v1(81.7,29.42) 81.56,29.28 D15.1 ; ED12.2 v1(81.05,41.17) ; J8.4 v1(16.53,55.78) ; C48.2 v1(18.25,49.8) ; v1(19.22,43.9) 18.93,43.61 C19.2 ; R17.2 30.88,28.98 v1(30.88,29.61) ; C18.2 26.31,44.32 v1(26.31,44.84) 26.31,45.09 C1.2 ; C63.2 v1(22.75,64.15) ; R87.2 v1(19.33,57.55) ; ED10.2 v1(81.05,39.14) ; J8.7 v1(13.99,54.28) ; v1(87.69,67.54) 87.94,67.79 R4.1 ; v1(12.72,16.02) 12.34,15.64 R80.1 ; R19.2 21.74,41.42 v1(21.74,40.79) ; v1(21.18,17.67) U7.2 v1(21.18,19.7) ; D8.2 v1(51.41,18.1) ; Q10.2 v1(8.66,16.72) ; C14.2 v1(18.93,41.55) ; C26.2 v1(32.66,29.61) ; C17.2 v1(27.71,29.36) ; D14.1 v1(34.39,17.99) 34.45,17.93 C57.2 ; v1(44.67,34.06) 45.27,34.65 J6.84 ; D7.2 v1(53.95,18.1) ; J8.10 v1(17.4,52.78) ; v1(78.25,38.37) 78.25,38.57 C41.2 ; v1(20.53,39.83) 20.85,39.52 C20.2 ; K2.1 v1(83.65,72.41) ; K1.1 v1(90.55,72.41) ; D10.2 v1(33,17.97) ; C16.2 v1(24.41,29.36) ; D1.1 47.52,66.82 v1(47.77,66.57) ; D11.1 v1(55.35,18.11) ; v1(33.61,22.98) 34.32,22.98 C54.2 ; v1(22.46,31.39) 22.12,31.73 R13.2 ; K2.3 v1(81.3,72.41) ; v1(9.55,15.89) 9.55,15.64 D19.1 ; D21.2 v1(66.57,72.54) ; U5.41 2.18,40.4 1.93,40.66 v1(1.93,41.29) ; v1(79.14,30.25) 79.31,30.42 Q7.2 ; J8.1 v1(13.99,57.28) ; v1(11.58,16.15) 11.58,15.64 D20.1 ; D13.1 v1(31.85,17.99) ; U9.2 v1(23.09,61.91) ; C9.2 v1(34.18,26.17) ; D12.1 v1(52.81,18.11) ; ED11.2 v1(78.38,41.17) ; U5.40 v1(1.04,27.6) ; D9.2 v1(30.46,17.97) ; R79.1 v1(8.78,15.89)
  TOP w0.406: C15.2 v1(29.99,29.61) ; C21.2 v1(30.88,29.61)
  TOP w0.508: C36.2 48.6,15.89 48.54,15.83 48.54,15.26 v1(49.42,15.26) ; J1.6 v1(52.71,72.39) ; v1(43.96,73.43) 45.02,73.43 J1.8 45.7,73.43 v1(46.5,73.43) ; R78.2 21.57,16.31 v1(21.36,16.53) ; v1(37.39,35.07) 37,35.07 C22.2 ; K1.6 90.74,73.46 v1(90.74,73.04) ; v1(88.03,73.04) 88.03,73.43 K1.7 ; C69.2 v1(91.21,57.27) 91.21,57.82 C70.2 ; v1(82.19,58.82) 82.06,58.95 C66.2 ; v1(19.45,15.26) 19.73,14.99 C52.2 ; DB2.2 v1(79.78,67.35) ; ED9.2 v1(81.05,34.94) ; v1(35.32,30.35) C24.2 ; U14.2 v1(84.35,59.84) ; v1(28.34,47.14) 28.34,46.52 C2.2 C12.2 ; C83.1 v1(91.84,18.43) ; v1(73.94,18.43) ED5.2 ; C42.2 v1(82.7,35.81) ; v1(29.42,57.49) C61.2 v1(27.77,57.49) ; C68.1 v1(92.22,50.69) TP22.1 93.11,51.45 93.63,51.97 J9.2 ; C82.1 v1(88.41,18.56) ; J6.89 v1(71.9,29.23) ; v1(51.58,73.43) 52.37,73.43 J1.9 53.05,73.43 v1(54.12,73.43) ; ED17.2 v1(91.53,54.72) ; C35.2 v1(70.25,20.97) ; J11.2 93.68,61.29 93.11,60.73 TP24.1 92.99,60.09 v1(92.22,60.09) C77.1 ; C37.2 24.91,16.47 24.91,15.39 24.53,15.39 v1(24.15,15.77) ; J6.92 v1(46.88,29.36) ; J90.1 v1(73.38,70.43) ; J1.7 v1(45.36,72.41) ; J10.9 v1(3.83,52.77) ; ED4.2 63.52,19.07 v1(63.01,18.56) 62.38,19.2 C29.2 ; J10.12 v1(3.83,49.77) ; C59.2 v1(24.53,58.95) ; C39.2 43.71,16.09 43.71,15.26 v1(44.6,15.26) ; C67.2 v1(90.32,57.28) ; ED3.2 39.12,34.94 38.61,34.44 v1(37.39,34.44) C7.2 ; v1(81.17,73.04) 81.05,73.17 81.05,73.51 K2.7 ; J10.6 7.95,55.77 v1(8.14,55.57) ; J8.18 v1(16.08,48.03) ; v1(80.67,36.21) 80.73,36.15 C40.2 ; J10.15 v1(3.83,46.77) ; C38.2 29.17,15.83 29.23,15.77 29.23,15.39 28.72,15.39 v1(28.47,15.64) ; J8.17 v1(16.08,59.02) ; ED8.2 v1(80.92,32.4) ; ED7.2 v1(80.92,31.26) ; ED13.2 ED15.2 v1(19.07,14.12) ; C34.2 v1(72.92,18.43) ; J6.90 v1(71.99,54.46) ; v1(38.01,32.5) 37.79,32.5 37.25,31.96 C10.2 ; K2.6 83.84,73.46 v1(83.84,73.04) ; J6.91 v1(46.88,54.25) ; C64.2 v1(86.65,61.88) ; C60.2 v1(32.43,63.65) ; J6.9 v1(56.58,29.27)
  vias: v1(0.79,67.08) v1(0.79,64.54) v1(0.79,62) v1(0.79,7.13) v1(0.79,4.59) v1(0.92,2.18) v1(1.55,4.08) v1(1.55,2.94) v1(2.82,4.08) v1(2.82,2.94) v1(3.33,67.08) v1(3.33,64.54) v1(3.33,62) v1(3.32,0.78) v1(3.96,5.23) v1(3.96,4.08) v1(3.96,2.94) v1(5.47,0.76) v1(5.87,67.08) v1(5.87,64.54) v1(6.88,73.43) v1(8.01,0.76) v1(8.15,51.38) v1(8.66,28.72) v1(8.9,55.57) v1(8.91,51.38) v1(9.29,73.43) v1(9.42,28.72) v1(9.69,53.61) v1(10.05,38.35) v1(10.55,5.79) v1(10.55,3.25) v1(10.55,0.76) v1(10.87,36.72) v1(11.83,73.43) v1(12.34,27.73) v1(12.41,36.72) v1(12.98,27.73) v1(13.09,5.79) v1(13.09,3.25) v1(13.09,0.76) v1(14.37,73.43) v1(14.73,36.98) v1(14.72,35.49) v1(15.26,0.76) v1(16.28,18.18) v1(16.28,16.4) v1(16.91,73.43) v1(16.91,18.18) v1(16.91,16.4) v1(17.14,27.14) v1(17.59,26.66) v1(17.67,60.73) v1(17.67,0.76) v1(18.31,60.73) v1(19.45,73.43) v1(19.43,52.78) v1(20.09,0.76) v1(21.48,52.78) v1(21.99,73.43) v1(22.63,3.25) v1(22.63,0.76) v1(23.26,37.59) v1(23.54,52.78) v1(24.28,47.01) v1(24.53,73.43) v1(24.91,47.01) v1(25.17,5.79) v1(25.17,3.25) v1(25.17,0.76) v1(26.18,41.17) v1(26.18,37.87) v1(26.18,34.56) v1(27.07,73.43) v1(27.71,5.79) v1(27.71,3.25) v1(27.71,0.76) v1(29.49,41.17) v1(29.49,37.87) v1(29.49,34.56) v1(30.25,5.79) v1(30.25,3.25) v1(30.25,0.76) v1(31.39,47.14) v1(32.28,47.14) v1(32.79,37.87) v1(32.79,34.56) v1(32.79,5.79) v1(32.79,3.25) v1(32.79,0.76) v1(33.17,47.14) v1(35.12,15.77) v1(35.33,3.25) v1(35.33,0.76) v1(35.75,15.77) v1(37.87,3.25) v1(37.87,0.76) v1(38.84,16.78) v1(38.88,19.07) v1(39.39,51.45) v1(39.39,50.69) v1(39.52,16.78) v1(40.03,51.07) v1(40.15,16.78) v1(40.28,56.41) v1(40.41,13.41) v1(40.41,10.87) v1(40.41,8.33) v1(40.41,5.79) v1(40.41,3.25) v1(40.41,0.76) v1(40.53,40.66) v1(40.53,40.02) v1(41.42,73.43) v1(41.79,35.56) v1(41.79,33.55) v1(41.79,32.79) v1(42.26,56.23) v1(42.95,59.09) v1(42.95,3.25) v1(42.95,0.76) v1(44.67,46.2) v1(44.67,44.04) v1(44.67,41.8) v1(44.67,39.64) v1(44.67,37.4) v1(44.67,35.24) v1(44.67,31.9) v1(44.67,29.74) v1(45.49,3.25) v1(45.49,0.76) v1(47.27,27.13) v1(48.03,5.79) v1(48.03,3.25) v1(48.03,0.76) v1(49.04,73.43) v1(49.42,27.13) v1(50.57,5.79) v1(50.57,3.25) v1(50.57,0.76) v1(51.62,57.2) v1(51.58,27.13) v1(53.11,5.79) v1(53.11,3.25) v1(53.11,0.76) v1(53.77,27.13) v1(53.78,57.2) v1(55.65,5.79) v1(55.65,3.25) v1(55.65,0.76) v1(56.66,73.43) v1(56.66,70.89) v1(58.04,17.29) v1(58.04,16.66) v1(58.19,3.25) v1(58.19,0.76) v1(58.7,17.29) v1(58.7,16.66) v1(59.2,73.43) v1(60.47,25.42) v1(62.51,25.42) v1(64.54,73.43) v1(67.08,73.43) v1(67.71,10.36) v1(67.71,7.82) v1(67.71,5.28) v1(67.71,2.74) v1(70.25,10.36) v1(70.25,7.82) v1(70.25,5.28) v1(70.25,2.74) v1(72.41,73.3) v1(72.79,10.36) v1(72.79,7.82) v1(72.79,5.28) v1(72.79,2.74) v1(75.59,73.43) v1(77.99,23) v1(78.01,22.23) v1(78.63,23) v1(79.69,72) v1(81.3,51.07) v1(81.3,50.44) v1(82.95,53.95) v1(82.95,21.74) v1(83.33,50.95) v1(83.46,23.64) v1(83.71,53.35) v1(84.88,54.13) v1(85.49,48.28) v1(85.49,23.64) v1(85.75,73.43) v1(86.13,48.28) v1(86.29,10.36) v1(86.29,7.82) v1(86.29,5.28) v1(86.29,2.74) v1(86.76,48.28) v1(86.76,42.56) v1(86.76,37.48) v1(86.76,34.82) v1(87.99,45.27) v1(88.83,10.36) v1(88.83,7.82) v1(88.83,5.28) v1(88.83,2.74) v1(90.45,66.44) v1(91.21,66.47) v1(91.37,10.36) v1(91.37,7.82) v1(91.37,5.28) v1(91.37,2.74) v1(92.99,64.03) v1(94.38,42.56) v1(94.38,40.02) v1(94.38,37.48) v1(94.38,34.94) v1(94.38,32.4) v1(94.38,27.32) v1(94.38,24.78) v1(94.51,73.3) v1(96.92,42.56) v1(96.92,40.02) v1(96.92,37.48) v1(96.92,34.94) v1(96.92,32.4) v1(96.92,27.32) v1(96.92,24.78) v1(96.92,18.05) v1(96.92,15.51) v1(96.92,12.97) v1(97.53,63.39) v1(97.53,60.44) v1(97.76,46.17) v1(97.86,30.07) v1(99.43,67.84) v1(99.43,65.3) v1(99.43,62.76) v1(99.43,60.22) v1(99.43,57.68) v1(99.43,55.14) v1(99.43,52.6) v1(99.43,50.06) v1(99.43,47.52) v1(99.43,44.98) v1(99.43,42.44) v1(99.43,39.9) v1(99.43,37.36) v1(99.43,34.82) v1(99.43,32.28) v1(99.43,29.74) v1(99.43,27.2) v1(99.43,24.66) v1(99.43,17.93) v1(99.43,15.39) v1(99.43,12.85)
